# Altium PCB host_board.PcbDoc (part 6 of 7)
Units mm, origin at the board's own origin, x right, y up, seen from the top; angles counter-clockwise.
Board outline 87.1 x 62.94 mm, 4 copper layers (Top Layer, GND, Power, Bottom Layer), stack 1.59 mm thick; 217 components, 247 nets, 1076 pads, 563 vias.
Unrouted connection lines stored in the file: 56.
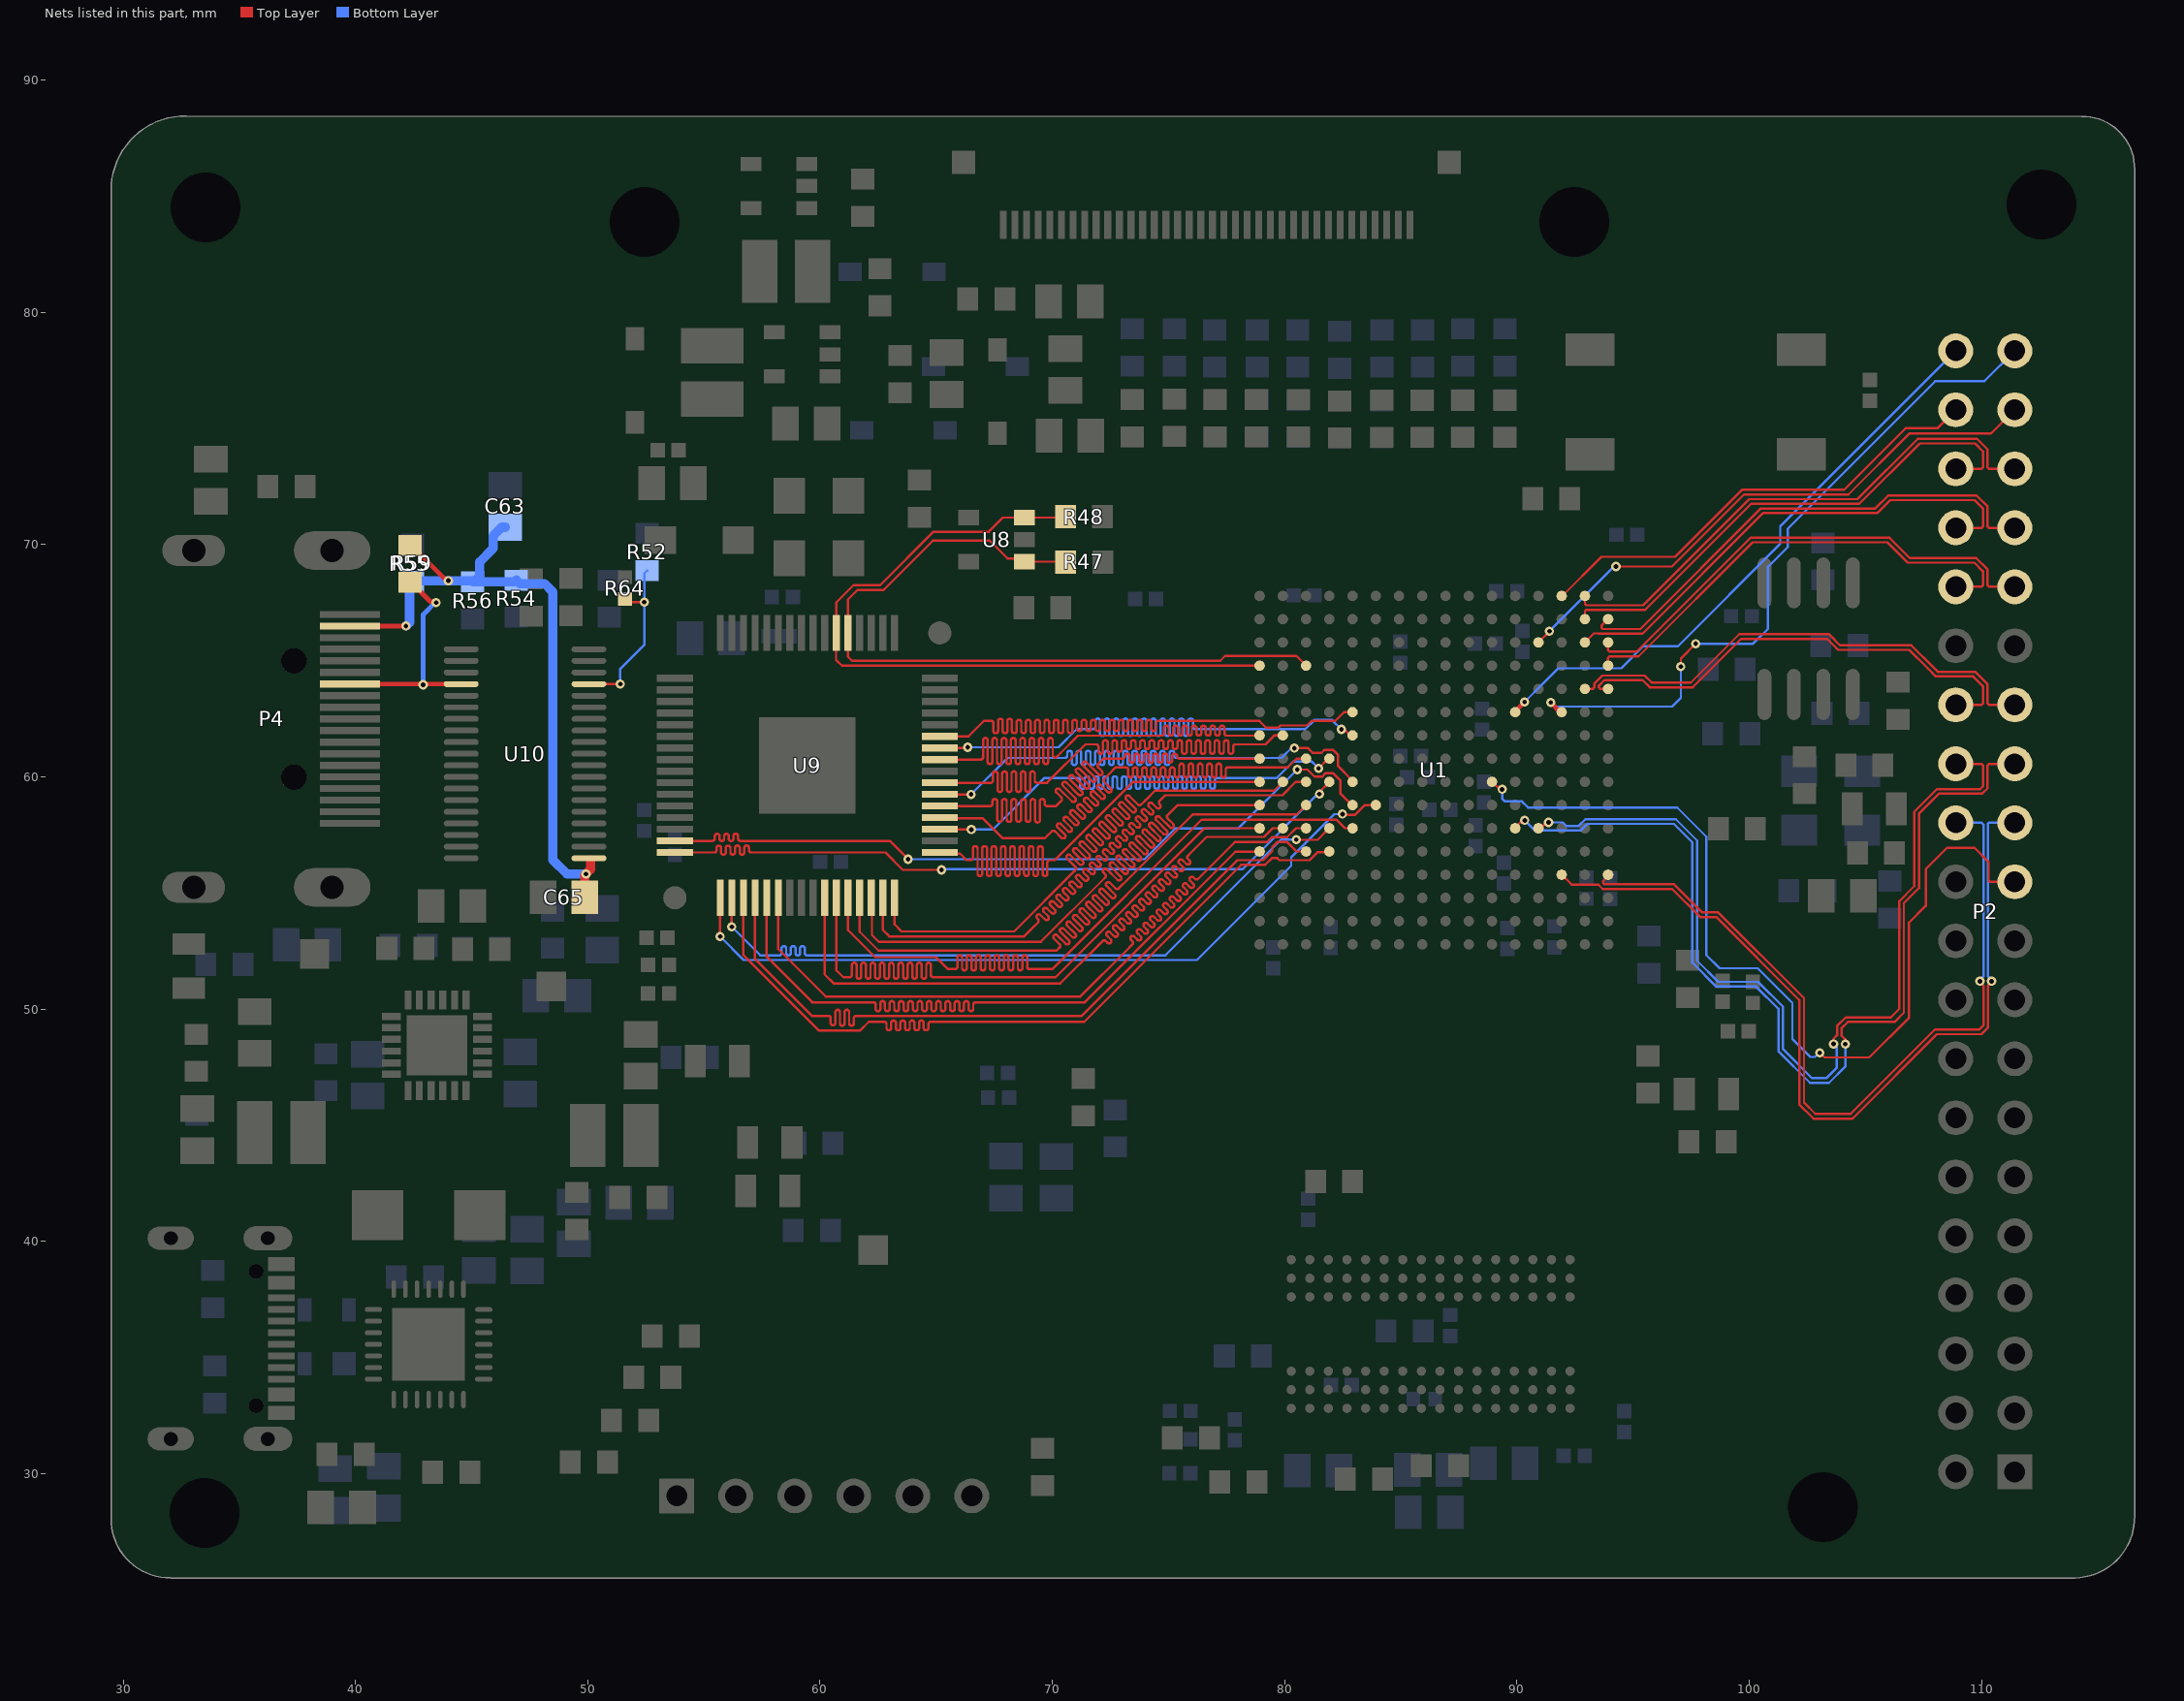
[diagram p8: the nets of this part, all layers, seen from the top]

## Via types
v1: diameter 0.4, hole 0.2, Top Layer to Bottom Layer, tented both sides, 485 vias
v2: diameter 0.4, hole 0.2, Top Layer to Bottom Layer, tented top, 61 vias
v3: diameter 0.5, hole 0.2, Top Layer to Bottom Layer, 9 vias
v4: diameter 0.4, hole 0.2, Top Layer to Bottom Layer, 8 vias

## Nets (pads, with @x,y where several pads share a name; then routed paths per layer and width w, separated by ;. In a path a pad name is that pad's centre, name@x,y a point inside that pad or via, vN(x,y) a via of type N, cw(c..) or ccw(c..) an arc to the next point about the centre after c; other vN are vias at no path point) (continued)
GPIO9_P: P2.21 U1.L8 | length 39.9
  Top Layer w0.1: U1.L8@88.905,59.82 v1@89.355,59.37 ; v1(103.027,48.125) 103.036,48.125 103.236,47.925 105.159,47.925 106.874,49.64 106.874,53.738 107.59,54.454 107.59,56.029 108.508,56.947 109.69,56.947 110.299,56.338 110.299,55.546 110.358,55.487 P2.21@111.424,55.487
  Bottom Layer w0.1: v1(89.358,59.47) 89.358,59.072 89.485,58.945 90.213,58.945 90.474,58.684 96.896,58.684 98.149,57.431 98.149,52.328 98.714,51.764 100.357,51.764 101.849,50.271 101.849,48.72 102.62,47.949 102.819,47.949 102.995,48.125 v1(103.027,48.125)
GPIO10_N: P2.24 U1.T4 | length 35.1
  Top Layer w0.1: U1.T4@93.92,55.793 93.92,55.738 93.704,55.521 93.704,55.439 93.762,55.38 96.757,55.38 97.965,54.171 98.658,54.171 102.349,50.48 102.349,45.989 102.843,45.495 104.356,45.495 107.991,49.13 109.899,49.13 110.074,49.305 110.074,51.013 109.924,51.163 v1(109.924,51.205)
  Bottom Layer w0.1: P2.24@108.884,58.027 109.995,58.027 110.074,57.949 110.074,51.414 109.924,51.264 v1(109.924,51.205)
GPIO10_P: P2.23 U1.P4 | length 37
  Top Layer w0.1: U1.P4@91.92,55.793 92.345,55.368 93.492,55.368 93.68,55.18 96.674,55.18 97.883,53.971 98.575,53.971 102.149,50.397 102.149,45.906 102.76,45.295 104.439,45.295 104.498,45.354 108.074,48.93 109.982,48.93 110.274,49.222 110.274,51.013 110.424,51.163 v1(110.424,51.205)
  Bottom Layer w0.1: v1(110.424,51.205) 110.424,51.264 110.274,51.414 110.274,57.989 110.313,58.027 P2.23@111.424,58.027
GPIO11_N: P2.26 U1.N6 | length 41.2
  Top Layer w0.1: U1.N6@90.905,57.82 91.042,57.82 91.209,57.988 91.298,57.988 v1(91.355,58.045) ; v1(103.624,48.505) 103.624,48.73 103.776,48.882 103.776,49.277 104.154,49.655 106.093,49.655 106.449,50.011 106.449,54.651 107.099,55.302 107.099,58.505 108.075,59.48 109.932,59.48 110.054,59.602 110.054,60.509 109.995,60.567 P2.26@108.884,60.567
  Bottom Layer w0.1: v1(91.355,58.045) 91.971,58.045 92.121,57.895 92.655,57.895 92.941,58.181 96.833,58.181 97.749,57.265 97.749,52.088 98.657,51.18 100.375,51.18 101.449,50.106 101.449,48.28 102.695,47.034 103.316,47.034 103.752,47.47 103.752,48.376 v1(103.624,48.505)
GPIO11_P: P2.25 U1.M6 | length 42.7
  Top Layer w0.1: U1.M6@89.905,57.82 v1@90.219,58.134 ; v1(104.127,48.5) 104.127,48.702 103.976,48.853 103.976,49.194 104.237,49.455 106.249,49.455 106.649,49.855 106.649,54.568 107.299,55.219 107.299,58.422 108.158,59.28 110.015,59.28 110.254,59.519 110.254,60.509 110.313,60.567 P2.25@111.424,60.567
  Bottom Layer w0.1: v1(90.33,58.134) 90.769,57.695 92.655,57.695 92.738,57.695 93.024,57.981 96.75,57.981 97.549,57.182 97.549,52.005 98.574,50.98 100.292,50.98 101.249,50.023 101.249,48.197 102.612,46.834 103.428,46.834 104.127,47.534 v1(104.127,48.5) v1@104.127,48.543
GPIO12_N: P2.28 U1.T12 | length 20.9
  Top Layer w0.1: U1.T12@93.92,63.793 93.579,63.793 93.52,63.851 93.52,63.934 93.754,64.168 95.404,64.168 95.711,63.861 97.561,63.861 99.65,65.95 103.34,65.95 103.76,65.53 103.819,65.471 106.882,65.471 107.681,64.673 108.023,64.33 109.637,64.33 110.054,63.913 110.054,63.166 109.995,63.107 P2.28@108.884,63.107
GPIO12_P: P2.27 U1.R12 | length 21.6
  Top Layer w0.1: U1.R12@92.92,63.793 93.261,63.793 93.32,63.851 93.32,64.017 93.671,64.368 95.487,64.368 95.794,64.061 97.479,64.061 99.567,66.15 103.423,66.15 103.481,66.091 103.901,65.671 106.965,65.671 107.964,64.673 108.106,64.53 109.72,64.53 110.254,63.996 110.254,63.166 110.313,63.107 P2.27@111.424,63.107
GPIO13_N: P2.32 U1.T13 | length 20.9
  Top Layer w0.1: U1.T13@93.92,64.793 93.92,65.134 93.979,65.193 95.226,65.193 100.137,70.104 105.943,70.104 106.818,69.229 109.681,69.229 110.054,68.856 110.054,68.246 109.995,68.187 P2.32@108.884,68.187
GPIO13_P: P2.31 U1.T14 | length 21.2
  Top Layer w0.1: U1.T14@93.92,65.793 93.92,65.451 93.979,65.393 95.143,65.393 100.054,70.304 106.026,70.304 106.901,69.429 109.764,69.429 110.254,68.939 110.254,68.246 110.313,68.187 P2.31@111.424,68.187
GPIO14_N: P2.34 U1.R14 | length 21.8
  Top Layer w0.1: U1.R14@92.92,65.793 93.308,66.181 93.53,66.181 93.543,66.168 95.391,66.168 100.583,71.36 105.501,71.36 106.061,71.92 109.695,71.92 110.054,71.561 110.054,70.786 109.995,70.727 P2.34@108.884,70.727
GPIO14_P: P2.33 U1.T15 | length 21.8
  Top Layer w0.1: U1.T15@93.92,66.793 93.636,66.509 93.636,66.426 93.695,66.368 95.308,66.368 100.5,71.56 105.418,71.56 105.978,72.12 109.778,72.12 110.254,71.644 110.254,70.786 110.313,70.727 P2.33@111.424,70.727
GPIO15_N: P2.36 U1.R15 | length 22.5
  Top Layer w0.1: U1.R15@92.92,66.793 92.92,67.134 92.979,67.193 95.511,67.193 100.078,71.76 104.73,71.76 107.33,74.36 109.71,74.36 110.054,74.016 110.054,73.326 109.995,73.267 P2.36@108.884,73.267
GPIO15_P: P2.35 U1.R16 | length 22.8
  Top Layer w0.1: U1.R16@92.92,67.793 92.92,67.451 92.979,67.393 95.428,67.393 99.995,71.96 104.647,71.96 107.247,74.56 109.793,74.56 110.254,74.099 110.254,73.326 110.313,73.267 P2.35@111.424,73.267
GPIO_31: P2.37 U1.N14 | length 24.7
  Top Layer w0.1: U1.N14@90.92,65.793 U1.N14@90.92,65.793 91.396,66.271 v1(91.396,66.273) ; v1(94.255,69.06) 96.669,69.06 99.769,72.16 104.26,72.16 106.88,74.78 110.396,74.78 P2.37@111.424,75.807
  Bottom Layer w0.1: v1@91.392,66.28 94.172,69.06 v1(94.255,69.06)
GPIO_32: P2.38 U1.P16 | length 20.3
  Top Layer w0.1: U1.P16@91.931,67.78 93.631,69.48 96.806,69.48 99.686,72.36 104.07,72.36 106.72,75.01 108.086,75.01 P2.38@108.884,75.807
GPIO_33: P2.39 U1.P11 | length 30.1
  Top Layer w0.1: v1(97.05,64.75) 97.05,65.1 v1(97.69,65.74)
  Top Layer w0.2: v1(91.449,63.205) 91.874,62.78 U1.P11@91.899,62.78
  Bottom Layer w0.1: v1(91.449,63.205) 91.624,63.03 96.674,63.03 97.05,63.406 v1(97.05,64.75) v1@97.05,64.768 ; v1(97.69,65.74) 100.159,65.74 100.801,66.382 100.801,69.05 101.649,69.898 101.649,70.689 108,77.04 110.116,77.04 P2.39@111.424,78.347
GPIO_34: P2.40 U1.M11 | length 25.9
  Top Layer w0.2: U1.M11@89.899,62.78 89.899,62.805 v1(90.324,63.23)
  Bottom Layer w0.1: v1(90.324,63.23) 91.128,64.034 91.774,64.68 94.48,64.68 95.43,65.63 96.924,65.63 101.33,70.036 101.33,70.794 P2.40@108.884,78.347
HDMI_5V: C63.2 C65.2 P4.18 R54.2 R55.2 R56.2 R59.1 U10.1 | length 30.9
  Top Layer w0.2: P4.18@39.76,66.5 v1(42.175,66.5) ; R55.2@42.35,69.975 42.4,69.975 v1@43.945,68.43
  Top Layer w0.4: C65.2@49.875,54.825 49.875,55.775 v1(49.925,55.825) 50.12,56.02 U10.1@50.12,56.421
  Bottom Layer w0.4: v1(42.175,66.5) 42.33,66.655 42.33,68.305 R59.1@42.475,68.45 ; R59.1@42.45,68.425 R59.1@42.475,68.45 ; R56.2@45.15,68.45 45.35,68.65 45.35,69.26 45.925,69.835 45.925,70.375 46.3,70.75 C63.2@46.45,70.75 ; v1(49.925,55.825) 49.105,55.825 48.49,56.44 48.49,67.974 48.139,68.325 47.075,68.325 R54.2@46.925,68.475 46.85,68.4 R56.2@45.05,68.4 45,68.45 v1(44,68.45) 43.27,68.45 R59.1@42.475,68.45
HDMI_CEC: P4.13 R55.1 U10.23 | length 10
  Top Layer w0.2: P4.13@39.76,64 U10.23@44.55,64 ; R55.1@42.35,68.375 42.4,68.375 43.227,67.548 43.434,67.548 v1(43.473,67.51)
  Bottom Layer w0.2: v1(42.915,63.97) 42.906,63.98 42.915,63.989 42.915,66.995 v1@43.42,67.5
HDMI_CEC_LV: R52.1 R64.2 U10.16 | length 7.6
  Top Layer w0.1: U10.16@50.05,64 v1(51.4,64) ; R64.2@51.6,67.655 51.73,67.525 v1(52.43,67.525)
  Bottom Layer w0.1: v1(51.4,64) 51.4,64.653 52.43,65.683 v1(52.43,67.525) ; v1(52.43,67.525) 52.43,68.76 R52.1@52.56,68.89
HDMI_CFG_SCL: R47.1 U1.C13 U8.1 U9.53 | length 33.3
  Top Layer w0.1: R47.1@70.57,69.249 70.55,69.269 U8.1@68.8,69.269 68.659,69.41 68.065,69.41 67.3,70.175 64.855,70.175 62.73,68.05 61.61,68.05 61.2,67.64 U9.53@61.2,66.2 61.2,65.18 61.38,65 77.22,65 77.43,65.21 80.503,65.21 U1.C13@80.92,64.793
HDMI_CFG_SDA: R48.1 U1.A13 U8.3 U9.54 | length 32.2
  Top Layer w0.1: R48.1@70.56,71.209 70.52,71.169 U8.3@68.8,71.169 67.871,71.169 67.262,70.56 64.88,70.56 62.58,68.26 61.445,68.26 60.7,67.515 U9.54@60.7,66.2 60.69,66.19 60.69,65.04 60.937,64.793 U1.A13@78.92,64.793
HDMI_D0: U1.E11 U9.43 | length 34.6
  Top Layer w0.1: U9.43@65.15,61.75 66.39,61.75 67.058,62.418 67.109,62.418 67.359,62.418 cw(c67.359,62.318) 67.459,62.318 67.459,61.982 ccw(c67.559,61.982) 67.659,61.982 67.659,62.407 cw(c67.759,62.407) 67.859,62.407 67.859,61.982 ccw(c67.959,61.982) 68.059,61.982 68.059,62.407 cw(c68.159,62.407) 68.259,62.407 68.259,61.982 ccw(c68.359,61.982) 68.459,61.982 68.459,62.361 cw(c68.559,62.361) 68.659,62.361 68.659,61.982 ccw(c68.759,61.982) 68.859,61.982 68.859,62.361 cw(c68.959,62.361) 69.059,62.361 69.059,61.982 ccw(c69.159,61.982) 69.259,61.982 69.259,62.361 cw(c69.359,62.361) 69.459,62.361 69.459,61.982 ccw(c69.559,61.982) 69.659,61.982 69.659,62.361 cw(c69.759,62.361) 69.859,62.361 69.859,61.982 ccw(c69.959,61.982) 70.059,61.982 70.059,62.361 cw(c70.159,62.361) 70.259,62.361 70.259,61.982 ccw(c70.359,61.982) 70.459,61.982 70.459,62.361 cw(c70.559,62.361) 70.659,62.361 70.659,61.982 ccw(c70.759,61.982) 70.859,61.982 70.859,62.361 cw(c70.959,62.361) 71.059,62.361 71.059,62.08 ccw(c71.159,62.08) 71.259,62.08 71.259,62.361 cw(c71.359,62.361) 71.459,62.361 71.459,62.08 ccw(c71.559,62.08) 71.659,62.08 71.659,62.361 cw(c71.759,62.361) 71.859,62.361 71.859,62.08 ccw(c71.959,62.08) 72.059,62.08 72.059,62.361 cw(c72.159,62.361) 72.259,62.361 72.259,62.08 ccw(c72.359,62.08) 72.459,62.08 72.459,62.361 cw(c72.559,62.361) 72.659,62.361 72.659,62.08 ccw(c72.759,62.08) 72.859,62.08 72.859,62.361 cw(c72.959,62.361) 73.059,62.361 73.059,62.08 ccw(c73.159,62.08) 73.259,62.08 73.259,62.361 cw(c73.359,62.361) 73.459,62.361 73.459,62.08 ccw(c73.559,62.08) 73.659,62.08 73.659,62.361 cw(c73.759,62.361) 73.859,62.361 73.859,62.08 ccw(c73.959,62.08) 74.059,62.08 74.059,62.361 cw(c74.159,62.361) 74.259,62.361 74.259,62.08 ccw(c74.359,62.08) 74.459,62.08 74.459,62.318 cw(c74.559,62.318) 74.559,62.418 74.826,62.418 ; 74.788,62.418 78.907,62.418 79.205,62.12 79.717,62.12 79.815,62.218 80.958,62.218 81.158,62.418 82.176,62.418 82.551,62.793 U1.E11@82.92,62.793
HDMI_D1: U1.E10 U9.42 | length 32.5
  Top Layer w0.1: U9.42@65.15,61.25 v1@66.35,61.25 ; v1(82.435,62.052) 82.492,61.994 82.624,61.994 82.825,61.793 U1.E10@82.92,61.793
  Bottom Layer w0.1: v1(66.35,61.28) 70.265,61.28 71.045,62.06 71.7,62.06 71.75,62.06 ccw(c71.75,62.16) 71.85,62.16 71.85,62.415 cw(c71.95,62.415) 72.05,62.415 72.05,61.865 ccw(c72.15,61.865) 72.25,61.865 72.25,62.415 cw(c72.35,62.415) 72.45,62.415 72.45,61.865 ccw(c72.55,61.865) 72.65,61.865 72.65,62.415 cw(c72.75,62.415) 72.85,62.415 72.85,61.865 ccw(c72.95,61.865) 73.05,61.865 73.05,62.415 cw(c73.15,62.415) 73.25,62.415 73.25,61.865 ccw(c73.35,61.865) 73.45,61.865 73.45,62.415 cw(c73.55,62.415) 73.65,62.415 73.65,61.865 ccw(c73.75,61.865) 73.85,61.865 73.85,62.415 cw(c73.95,62.415) 74.05,62.415 74.05,61.865 ccw(c74.15,61.865) 74.25,61.865 74.25,62.415 cw(c74.35,62.415) 74.45,62.415 74.45,61.865 ccw(c74.55,61.865) 74.65,61.865 74.65,62.415 cw(c74.75,62.415) 74.85,62.415 74.85,61.865 ccw(c74.95,61.865) 75.05,61.865 75.05,62.415 cw(c75.15,62.415) 75.25,62.415 75.25,61.865 ccw(c75.35,61.865) 75.45,61.865 75.45,62.415 cw(c75.55,62.415) 75.65,62.415 75.65,61.865 ccw(c75.75,61.865) 75.85,61.865 75.85,62.415 cw(c75.95,62.415) 76.05,62.415 76.05,62.16 ccw(c76.15,62.16) 76.15,62.06 76.386,62.06 80.885,62.06 81.275,62.45 82.036,62.45 v1(82.435,62.052)
HDMI_D2: U1.A10 U9.41 | length 35.2
  Top Layer w0.1: U9.41@65.15,60.75 66.865,60.75 66.915,60.75 ccw(c66.915,60.85) 67.015,60.85 67.015,61.578 cw(c67.115,61.578) 67.215,61.578 67.215,60.649 ccw(c67.315,60.649) 67.415,60.649 67.415,61.578 cw(c67.515,61.578) 67.615,61.578 67.615,60.649 ccw(c67.715,60.649) 67.815,60.649 67.815,61.578 cw(c67.915,61.578) 68.015,61.578 68.015,60.649 ccw(c68.115,60.649) 68.215,60.649 68.215,61.578 cw(c68.315,61.578) 68.415,61.578 68.415,60.649 ccw(c68.515,60.649) 68.615,60.649 68.615,61.578 cw(c68.715,61.578) 68.815,61.578 68.815,60.649 ccw(c68.915,60.649) 69.015,60.649 69.015,61.578 cw(c69.115,61.578) 69.215,61.578 69.215,60.649 ccw(c69.315,60.649) 69.415,60.649 69.415,61.578 cw(c69.515,61.578) 69.615,61.578 69.615,60.649 ccw(c69.715,60.649) 69.815,60.649 69.815,61.578 cw(c69.915,61.578) 70.015,61.578 70.015,60.937 ccw(c70.115,60.937) 70.186,60.866 70.36,61.04 71.1,61.78 74.652,61.78 74.702,61.78 ccw(c74.702,61.88) 74.802,61.88 74.802,62.112 cw(c74.902,62.112) 75.002,62.112 75.002,61.88 ccw(c75.102,61.88) 75.202,61.88 75.202,62.112 cw(c75.302,62.112) 75.402,62.112 75.402,61.88 ccw(c75.502,61.88) 75.602,61.88 75.602,62.112 cw(c75.702,62.112) 75.802,62.112 75.802,61.88 ccw(c75.902,61.88) 76.002,61.88 76.002,62.112 cw(c76.102,62.112) 76.202,62.112 76.202,61.88 ccw(c76.302,61.88) 76.402,61.88 76.402,62.112 cw(c76.502,62.112) 76.602,62.112 76.602,61.88 ccw(c76.702,61.88) 76.802,61.88 76.802,62.112 cw(c76.902,62.112) 77.002,62.112 77.002,61.88 ccw(c77.102,61.88) 77.202,61.88 77.202,62.112 cw(c77.302,62.112) 77.402,62.112 77.402,61.88 ccw(c77.502,61.88) 77.502,61.78 77.69,61.78 78.907,61.78 U1.A10@78.92,61.793
HDMI_D3: U1.B10 U9.39 | length 34.7
  Top Layer w0.1: U9.39@65.15,59.75 67.29,59.75 67.34,59.75 ccw(c67.34,59.85) 67.44,59.85 67.44,60.139 cw(c67.54,60.139) 67.64,60.139 67.64,59.456 ccw(c67.74,59.456) 67.84,59.456 67.84,60.139 cw(c67.94,60.139) 68.04,60.139 68.04,59.456 ccw(c68.14,59.456) 68.24,59.456 68.24,60.139 cw(c68.34,60.139) 68.44,60.139 68.44,59.456 ccw(c68.54,59.456) 68.64,59.456 68.64,60.139 cw(c68.74,60.139) 68.84,60.139 68.84,59.456 ccw(c68.94,59.456) 69.04,59.456 69.04,60.139 cw(c69.14,60.139) 69.24,60.139 69.24,59.85 ccw(c69.34,59.85) 69.34,59.75 69.618,59.75 69.77,59.75 71.425,61.405 71.63,61.405 71.88,61.405 cw(c71.88,61.305) 71.98,61.305 71.98,61.099 ccw(c72.08,61.099) 72.18,61.099 72.18,61.48 cw(c72.28,61.48) 72.38,61.48 72.38,61.099 ccw(c72.48,61.099) 72.58,61.099 72.58,61.48 cw(c72.68,61.48) 72.78,61.48 72.78,61.186 ccw(c72.88,61.186) 72.98,61.186 72.98,61.48 cw(c73.08,61.48) 73.18,61.48 73.18,61.305 ccw(c73.28,61.305) 73.38,61.305 73.38,61.48 cw(c73.48,61.48) 73.58,61.48 73.58,61.305 ccw(c73.68,61.305) 73.78,61.305 73.78,61.48 cw(c73.88,61.48) 73.98,61.48 73.98,61.305 ccw(c74.08,61.305) 74.18,61.305 74.18,61.48 cw(c74.28,61.48) 74.38,61.48 74.38,61.305 ccw(c74.48,61.305) 74.58,61.305 74.58,61.48 cw(c74.68,61.48) 74.78,61.48 74.78,61.305 ccw(c74.88,61.305) 74.98,61.305 74.98,61.48 cw(c75.08,61.48) 75.18,61.48 75.18,61.305 ccw(c75.28,61.305) 75.38,61.305 75.38,61.48 cw(c75.48,61.48) 75.58,61.48 75.58,61.099 ccw(c75.68,61.099) 75.78,61.099 75.78,61.48 cw(c75.88,61.48) 75.98,61.48 75.98,61.099 ccw(c76.08,61.099) 76.18,61.099 76.18,61.48 cw(c76.28,61.48) 76.38,61.48 76.38,61.099 ccw(c76.48,61.099) 76.58,61.099 76.58,61.48 cw(c76.68,61.48) 76.78,61.48 76.78,61.099 ccw(c76.88,61.099) 76.98,61.099 76.98,61.48 cw(c77.08,61.48) 77.18,61.48 77.18,61.099 ccw(c77.28,61.099) 77.38,61.099 77.38,61.48 cw(c77.48,61.48) 77.58,61.48 77.58,61.099 ccw(c77.68,61.099) 77.78,61.099 77.78,61.305 cw(c77.88,61.305) 77.88,61.405 78.17,61.405 79.167,61.405 79.545,61.783 79.91,61.783 U1.B10@79.92,61.793
HDMI_D4: U1.E8 U9.38 | length 31.8
  Top Layer w0.1: U9.38@65.15,59.25 v1(66.498,59.25) ; v1(80.418,61.24) 81.003,61.24 81.203,61.04 81.585,61.04 81.713,61.168 82.075,61.168 82.295,60.948 82.295,60.47 82.92,59.845 U1.E8@82.92,59.793
  Bottom Layer w0.1: v1(66.498,59.25) 68.068,60.82 70.49,60.82 70.54,60.82 ccw(c70.54,60.92) 70.64,60.92 70.64,61.029 cw(c70.74,61.029) 70.84,61.029 70.84,60.616 ccw(c70.94,60.616) 71.04,60.616 71.04,61.029 cw(c71.14,61.029) 71.24,61.029 71.24,60.616 ccw(c71.34,60.616) 71.44,60.616 71.44,61.029 cw(c71.54,61.029) 71.64,61.029 71.64,60.616 ccw(c71.74,60.616) 71.84,60.616 71.84,61.029 cw(c71.94,61.029) 72.04,61.029 72.04,60.616 ccw(c72.14,60.616) 72.24,60.616 72.24,61.029 cw(c72.34,61.029) 72.44,61.029 72.44,60.616 ccw(c72.54,60.616) 72.64,60.616 72.64,61.029 cw(c72.74,61.029) 72.84,61.029 72.84,60.616 ccw(c72.94,60.616) 73.04,60.616 73.04,61.029 cw(c73.14,61.029) 73.24,61.029 73.24,60.616 ccw(c73.34,60.616) 73.44,60.616 73.44,61.029 cw(c73.54,61.029) 73.64,61.029 73.64,60.616 ccw(c73.74,60.616) 73.84,60.616 73.84,61.029 cw(c73.94,61.029) 74.04,61.029 74.04,60.616 ccw(c74.14,60.616) 74.24,60.616 74.24,61.029 cw(c74.34,61.029) 74.44,61.029 74.44,60.616 ccw(c74.54,60.616) 74.64,60.616 74.64,61.029 cw(c74.74,61.029) 74.84,61.029 74.84,60.616 ccw(c74.94,60.616) 75.04,60.616 75.04,61.029 cw(c75.14,61.029) 75.24,61.029 75.24,60.92 ccw(c75.34,60.92) 75.34,60.82 75.557,60.82 79.86,60.82 80.349,61.309 v1@80.498,61.309
HDMI_D5: U1.A9 U9.37 | length 35.8
  Top Layer w0.1: U9.37@65.15,58.75 67.27,58.75 67.32,58.75 ccw(c67.32,58.852) 67.422,58.852 67.422,58.948 cw(c67.524,58.948) 67.524,59.05 cw(c67.524,58.948) 67.626,58.948 67.626,58.17 ccw(c67.728,58.17) 67.728,58.068 ccw(c67.728,58.17) 67.83,58.17 67.83,58.948 cw(c67.932,58.948) 67.932,59.05 cw(c67.932,58.948) 68.034,58.948 68.034,58.17 ccw(c68.136,58.17) 68.136,58.068 ccw(c68.136,58.17) 68.238,58.17 68.238,58.948 cw(c68.34,58.948) 68.34,59.05 cw(c68.34,58.948) 68.442,58.948 68.442,58.17 ccw(c68.544,58.17) 68.544,58.068 ccw(c68.544,58.17) 68.646,58.17 68.646,58.948 cw(c68.748,58.948) 68.748,59.05 cw(c68.748,58.948) 68.85,58.948 68.85,58.17 ccw(c68.952,58.17) 68.952,58.068 ccw(c68.952,58.17) 69.054,58.17 69.054,58.948 cw(c69.156,58.948) 69.156,59.05 cw(c69.156,58.948) 69.258,58.948 69.258,58.144 ccw(c69.36,58.144) 69.36,58.042 ccw(c69.36,58.144) 69.462,58.144 69.462,58.948 cw(c69.564,58.948) 69.564,59.05 cw(c69.564,58.948) 69.666,58.948 69.666,58.852 ccw(c69.768,58.852) 69.768,58.75 70.068,58.75 70.16,58.75 70.348,58.938 70.383,58.973 ccw(c70.311,59.045) 70.383,59.117 70.168,59.332 cw(c70.24,59.404) 70.168,59.476 cw(c70.24,59.404) 70.312,59.476 70.836,58.953 ccw(c70.908,59.025) 70.98,58.953 ccw(c70.908,59.025) 70.98,59.097 70.456,59.621 cw(c70.529,59.693) 70.456,59.765 cw(c70.529,59.693) 70.601,59.765 71.124,59.241 ccw(c71.196,59.313) 71.268,59.241 ccw(c71.196,59.313) 71.268,59.386 70.745,59.909 cw(c70.817,59.981) 70.745,60.053 cw(c70.817,59.981) 70.889,60.053 71.413,59.53 ccw(c71.485,59.602) 71.557,59.53 ccw(c71.485,59.602) 71.557,59.674 71.033,60.198 cw(c71.106,60.27) 71.033,60.342 cw(c71.106,60.27) 71.178,60.342 71.701,59.818 ccw(c71.773,59.89) 71.845,59.818 ccw(c71.773,59.89) 71.845,59.963 71.322,60.486 cw(c71.394,60.558) 71.322,60.63 cw(c71.394,60.558) 71.466,60.63 71.99,60.107 ccw(c72.062,60.179) 72.134,60.107 ccw(c72.062,60.179) 72.134,60.251 71.97,60.415 cw(c72.042,60.487) 71.97,60.56 72.161,60.751 72.203,60.793 72.97,60.793 73.02,60.793 ccw(c73.02,60.895) 73.122,60.895 73.122,60.903 cw(c73.224,60.903) 73.224,61.005 cw(c73.224,60.903) 73.326,60.903 73.326,60.72 ccw(c73.428,60.72) 73.428,60.618 ccw(c73.428,60.72) 73.53,60.72 73.53,60.903 cw(c73.632,60.903) 73.632,61.005 cw(c73.632,60.903) 73.734,60.903 73.734,60.72 ccw(c73.836,60.72) 73.836,60.618 ccw(c73.836,60.72) 73.938,60.72 73.938,60.903 cw(c74.04,60.903) 74.04,61.005 cw(c74.04,60.903) 74.142,60.903 74.142,60.72 ccw(c74.244,60.72) 74.244,60.618 ccw(c74.244,60.72) 74.346,60.72 74.346,60.903 cw(c74.448,60.903) 74.448,61.005 cw(c74.448,60.903) 74.55,60.903 74.55,60.72 ccw(c74.652,60.72) 74.652,60.618 ccw(c74.652,60.72) 74.754,60.72 74.754,60.903 cw(c74.856,60.903) 74.856,61.005 cw(c74.856,60.903) 74.958,60.903 74.958,60.72 ccw(c75.06,60.72) 75.06,60.618 ccw(c75.06,60.72) 75.162,60.72 75.162,60.903 cw(c75.264,60.903) 75.264,61.005 cw(c75.264,60.903) 75.366,60.903 75.366,60.895 ccw(c75.468,60.895) 75.468,60.793 75.966,60.793 U1.A9@78.92,60.793